# Altium PCB PCB_Template.PcbDoc (part 6 of 6)
Units mm, origin at the board's own origin, x right, y up, seen from the top; angles counter-clockwise.
Board outline 93 x 50 mm, 4 copper layers (Top Layer, Int1 (GND), Int2 (PWR), Bottom Layer), stack 1.369 mm thick; 176 components, 236 nets, 978 pads, 657 vias.
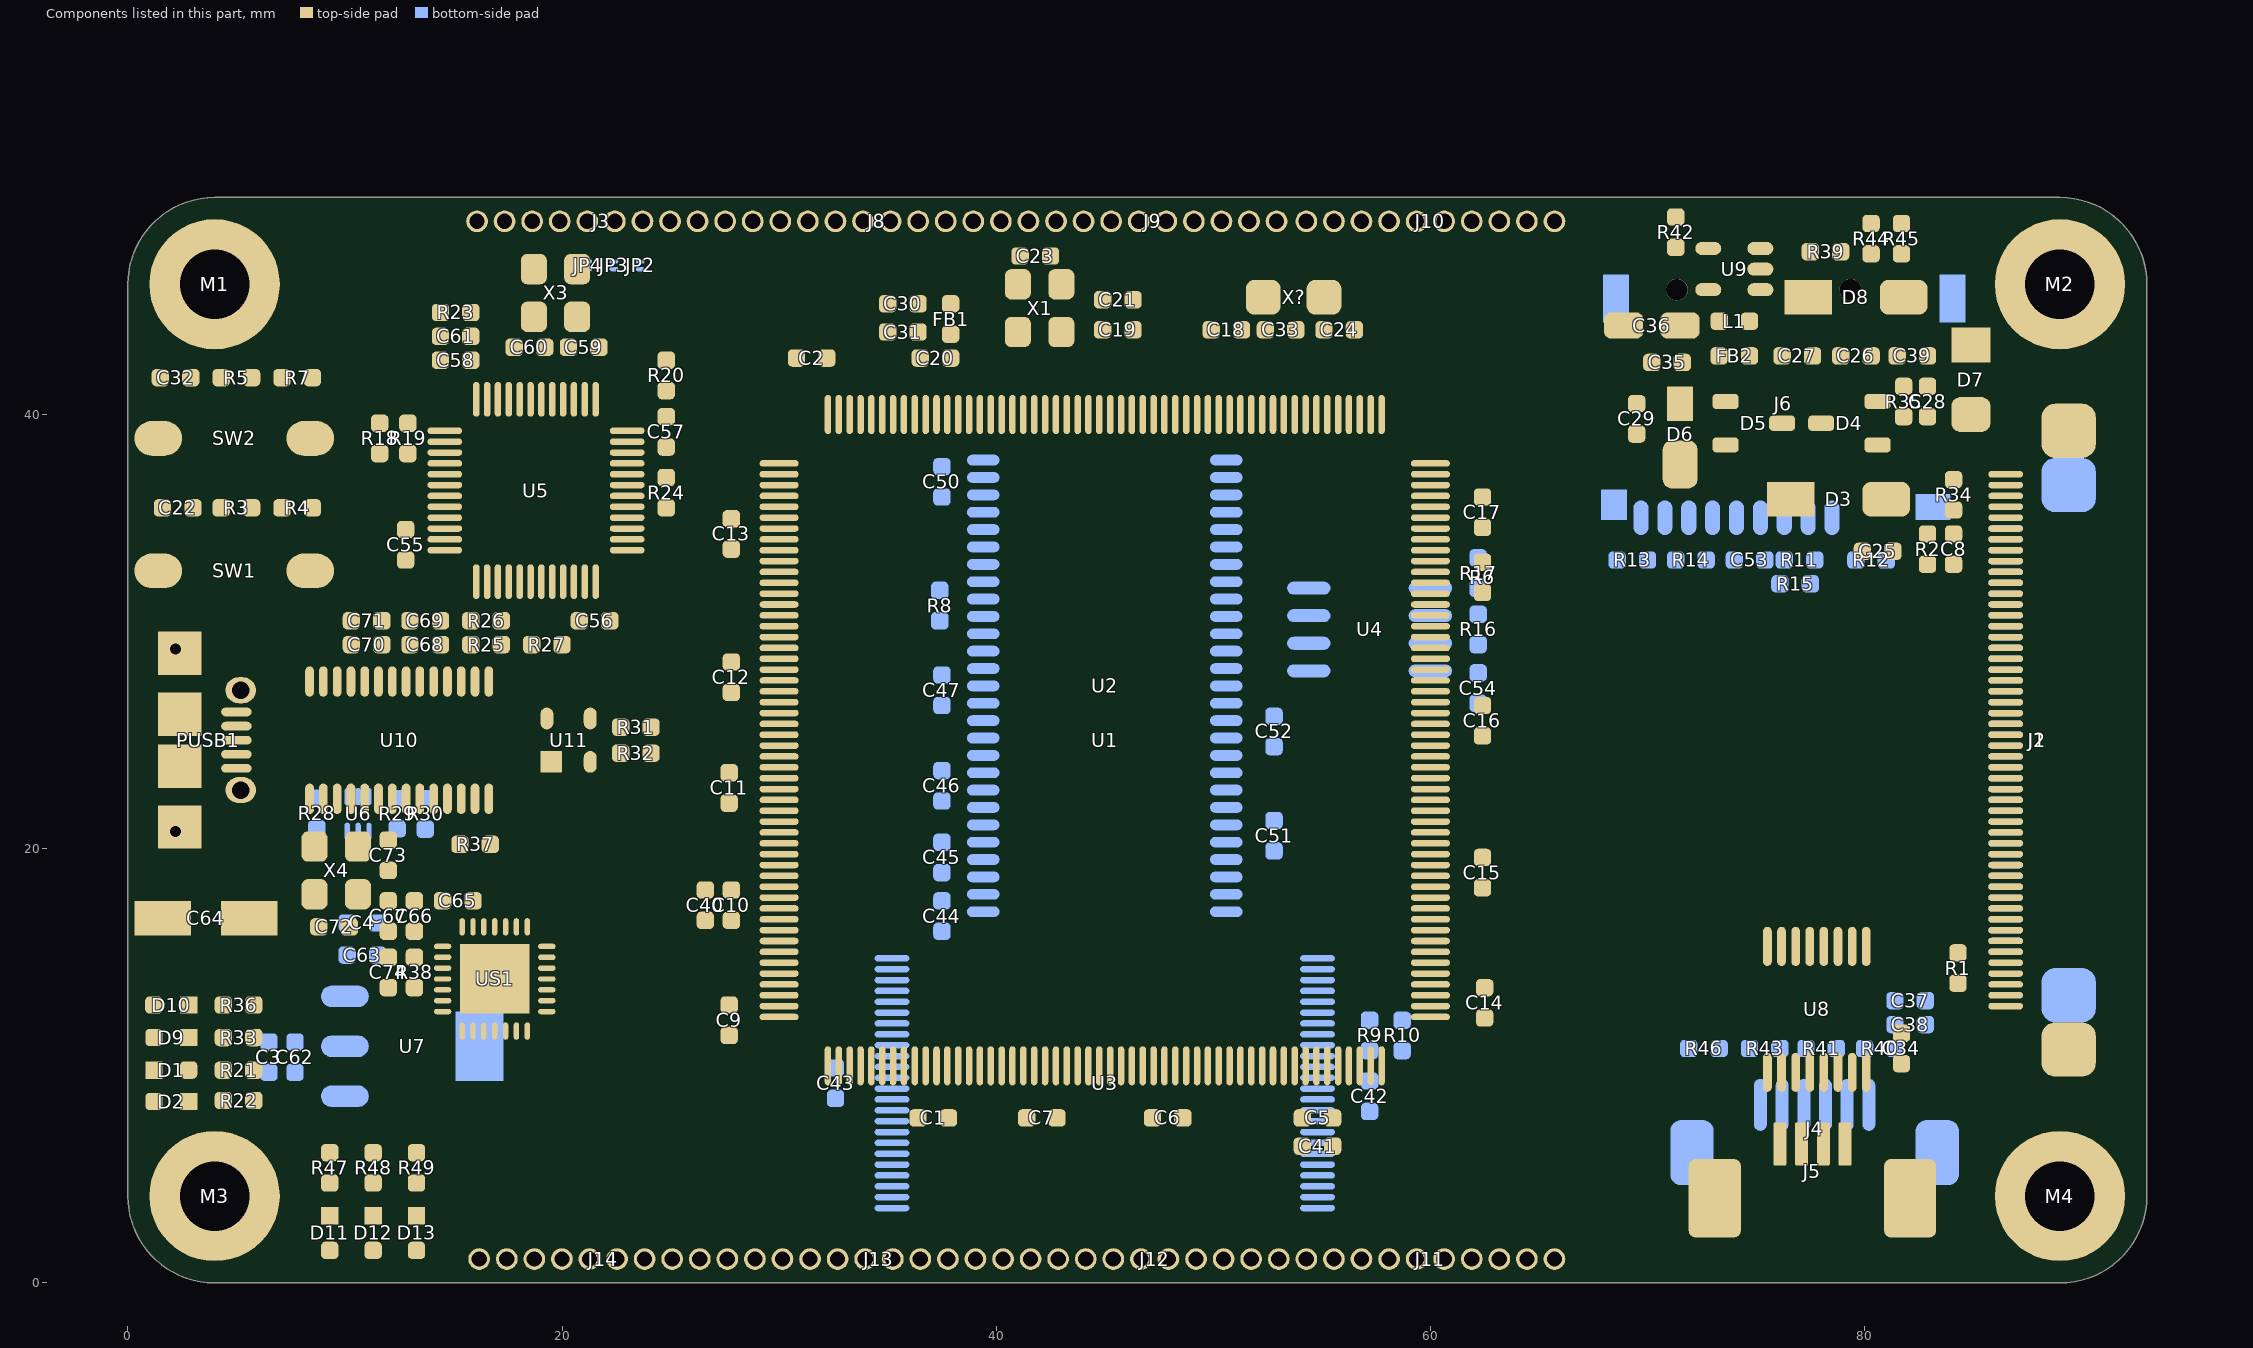
[diagram p8: the components of this part, seen from the top]

## Silkscreen, mask and mechanical layers (free items; w line width, h text height) (continued)
Mechanical 2:
  drawing of 579 lines, arcs and shapes, not listed
  text "Layer" at -18.831,172.927 h1.52
  text "Name" at -8.42,172.927 h1.52
  text "Material" at 25.353,172.927 h1.52
  text "Thickness" at 40.589,172.927 h1.52
  text "Constant" at 57.095,172.927 h1.52
  text "Board Layer Stack" at 71.569,172.927 h1.52
  text "Top Overlay" at -8.42,169.879 h1.52
  text "Top Solder" at -8.42,166.831 h1.52
  text "SM-001" at 25.353,166.831 h1.52
  text "1.00mil" at 40.589,166.831 h1.52
  text "4" at 57.095,166.831 h1.52
  text "Top Surface Finish" at -8.42,163.783 h1.52
  text "PbSn" at 25.353,163.783 h1.52
  text "0.79mil" at 40.589,163.783 h1.52
  text "1" at -18.831,160.735 h1.52
  text "Top Layer" at -8.42,160.735 h1.52
  text "CF-004" at 25.353,160.735 h1.52
  text "1.38mil" at 40.589,160.735 h1.52
  text "Dielectric 1" at -8.42,157.687 h1.52
  text "PP-017" at 25.353,157.687 h1.52
  text "5.10mil" at 40.589,157.687 h1.52
  text "4.3" at 57.095,157.687 h1.52
  text "Dielectric 2" at -8.42,154.639 h1.52
  text "PP-017" at 25.353,154.639 h1.52
  text "5.10mil" at 40.589,154.639 h1.52
  text "4.3" at 57.095,154.639 h1.52
  text "2" at -18.831,151.591 h1.52
  text "Int1 (GND)" at -8.42,151.591 h1.52
  text "CF-004" at 25.353,151.591 h1.52
  text "1.38mil" at 40.589,151.591 h1.52
  text "Dielectric 3" at -8.42,148.543 h1.52
  text "Core-039" at 25.353,148.543 h1.52
  text "28.00mil" at 40.589,148.543 h1.52
  text "4.8" at 57.095,148.543 h1.52
  text "3" at -18.831,145.495 h1.52
  text "Int2 (PWR)" at -8.42,145.495 h1.52
  text "CF-004" at 25.353,145.495 h1.52
  text "1.38mil" at 40.589,145.495 h1.52
  text "Dielectric 4" at -8.42,142.447 h1.52
  text "PP-017" at 25.353,142.447 h1.52
  text "5.10mil" at 40.589,142.447 h1.52
  text "4.3" at 57.095,142.447 h1.52
  text "Dielectric 5" at -8.42,139.399 h1.52
  text "PP-017" at 25.353,139.399 h1.52
  text "5.10mil" at 40.589,139.399 h1.52
  text "4.3" at 57.095,139.399 h1.52
  text "4" at -18.831,136.351 h1.52
  text "Bottom Layer" at -8.42,136.351 h1.52
  text "CF-004" at 25.353,136.351 h1.52
  text "1.38mil" at 40.589,136.351 h1.52
  text "Bottom Surface Finish" at -8.42,133.303 h1.52
  text "PbSn" at 25.353,133.303 h1.52
  text "0.79mil" at 40.589,133.303 h1.52
  text "Bottom Solder" at -8.42,130.255 h1.52
  text "SM-001" at 25.353,130.255 h1.52
  text "1.00mil" at 40.589,130.255 h1.52
  text "4" at 57.095,130.255 h1.52
  text "Bottom Overlay" at -8.42,127.207 h1.52

## Text inside footprints (layer, text, board x,y; h text height)
J1: Top Overlay "50" at 85.7,38.9 h0.8 r270
J2: Bottom Overlay "40" at 85.7,13.6 h0.8 r270
PUSB1: Mechanical 1 "PCB EDGE" at 0.6,22.3 h0.8 r90